# Altium PCB Slave_Board_Pcb.PcbDoc
Units mil, origin at the board's own origin, x right, y up, seen from the top; angles counter-clockwise.
Board outline 3937.01 x 1969 mil, 2 copper layers (Top Layer, Bottom Layer); 35 components, 13 nets, 96 pads, 653 vias.
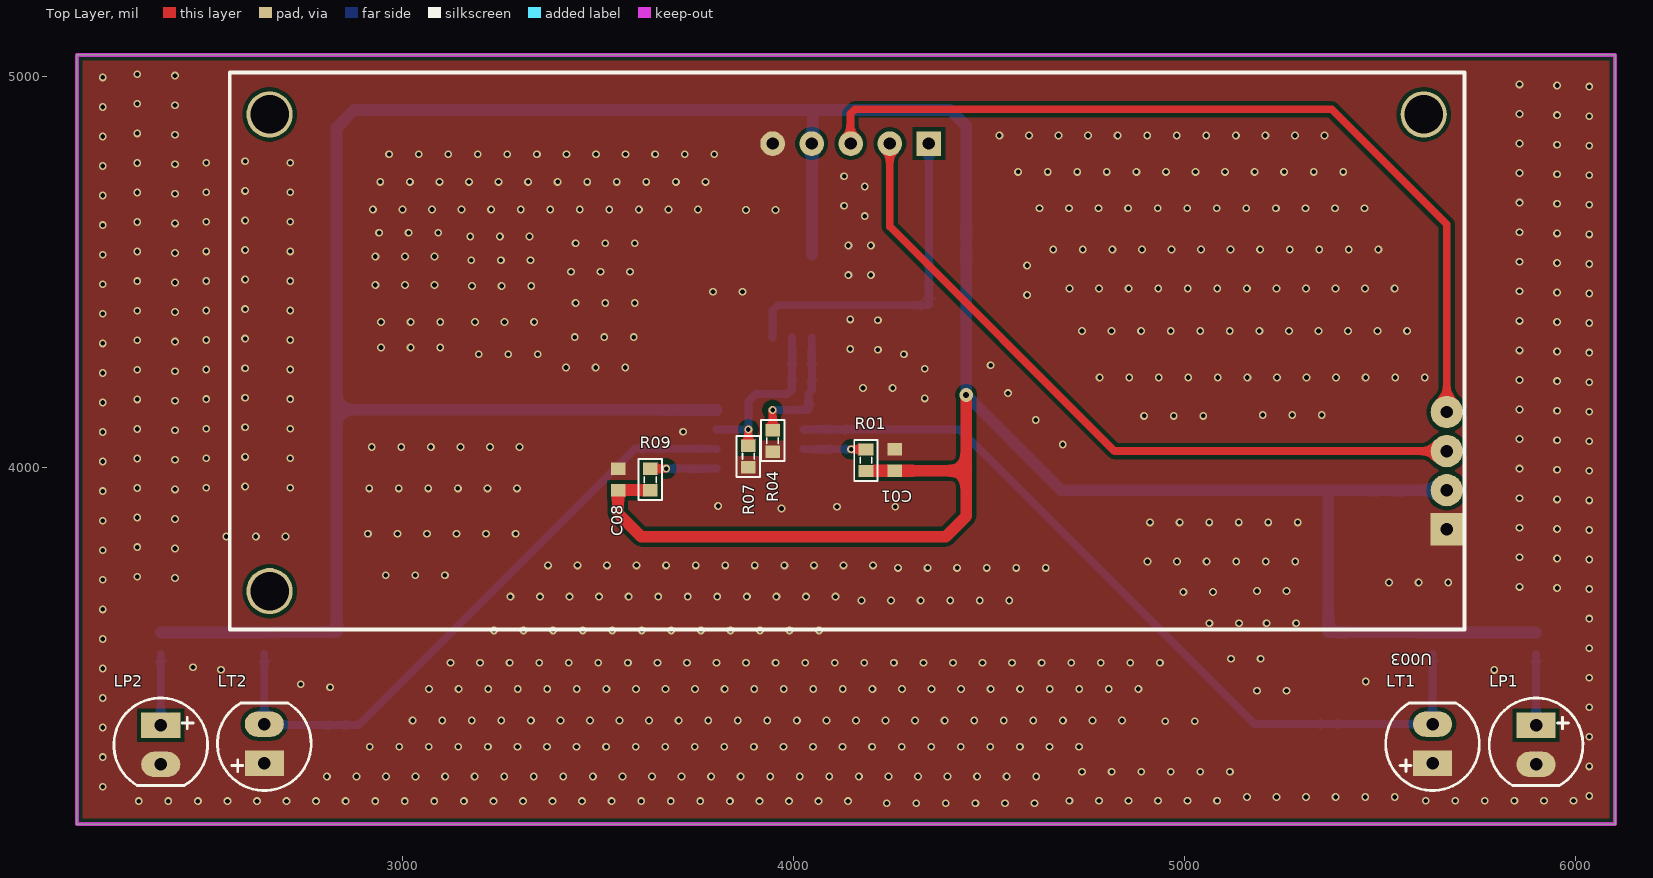
[diagram p0: Top Layer view]
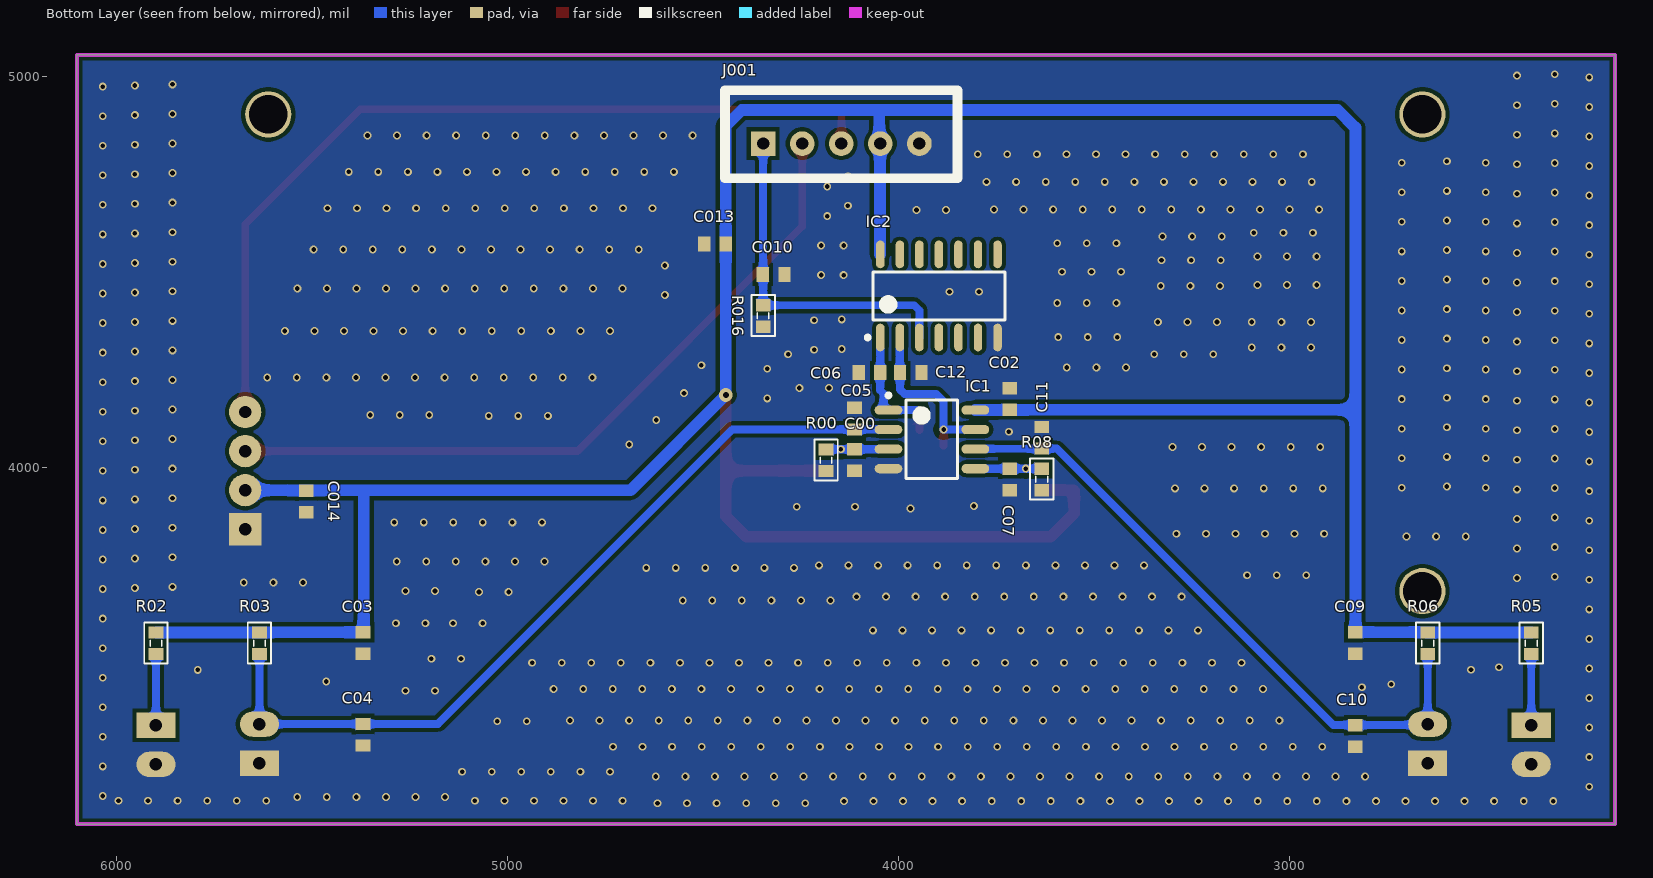
[diagram p1: Bottom Layer view, seen from below]
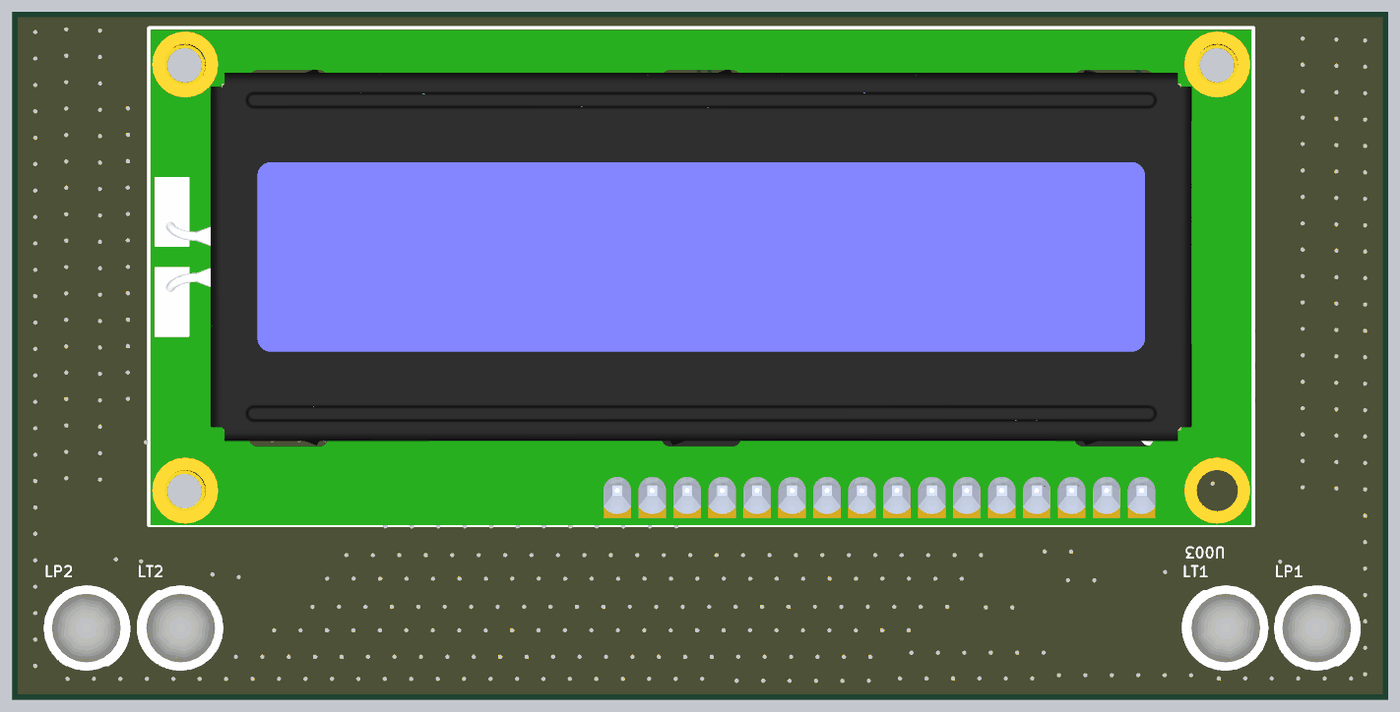
[diagram p2: 3D render of the assembled board from above, using the file's embedded part models]

## Layer stack, top to bottom
Top Solder: solder mask 0.4, Solder Resist, Dk 3.5
Top Layer: signal copper 1.4
Dielectric 1: dielectric 12.6, FR-4, Dk 4.8
Bottom Layer: signal copper 1.4
Bottom Solder: solder mask 0.4, Solder Resist, Dk 3.5

## Board outline
2165.35,3086 6102.36,3086 6102.36,5054.5 6102.36,5055 2165.35,5055

## Design rules (kind name [scope] priority, off if disabled: settings)
Clearance [All] p1: gap=10 ignorepadtopadclearanceinfootprint=FALSE except(20: Arc-Hole Track-Hole SMDPad-Hole THPad-Hole Via-Hole Fill-Hole Poly-Hole Region-Hole Text-Hole)
PolygonConnect [All] p1: connectstyle=Direct reliefconductorwidth=19.68 reliefentries=4 polygonreliefangle="90 Angle" airgapwidth=19.68
RoutingVias [All] p1: holewidth=28 width=50 viastyle="Through Hole" minholewidth=10 minwidth=10 maxholewidth=31.5 maxwidth=78.74
SolderMaskExpansion [All] p1: expansion=4 istentingtop=FALSE
Width [All] p1: maxlimit=50 minlimit=10 preferedwidth=20 minimp=50.000000 maximp=50.000000 favimp=50.000000
30 further rules are at their usual default settings.

## Components (designator, comment, footprint, x,y, rotation, side; value= is the part's Value field where it differs from the comment)
C00 "Cap Non-Pol SMD" CAP-SM-0603 4112,4018 r90 bottom value=0.1uF
C01 "Cap Non-Pol SMD" CAP-SM-0603 4259,4018 r90 top value=0.1uF
C02 "Cap Non-Pol SMD" CAP-SM-0603 3715,4174 r90 bottom value=0.1uF
C03 "Cap Non-Pol SMD" CAP-SM-0603 5370,3550 r270 bottom value=0.1uF
C04 "Cap Non-Pol SMD" CAP-SM-0603 5370,3315 r270 bottom value=0.1uF
C05 "Cap Non-Pol SMD" CAP-SM-0603 4112,4124 r90 bottom value=0.1uF
C06 "Cap Non-Pol SMD" CAP-SM-0603 4074,4242 r0 bottom value=0.1uF
C07 "Cap Non-Pol SMD" CAP-SM-0603 3715,3968 r270 bottom value=0.1uF
C08 "Cap Non-Pol SMD" CAP-SM-0603 3551,3968 r90 top value=0.1uF
C09 "Cap Non-Pol SMD" CAP-SM-0603 2830,3550 r270 bottom value=0.1uF
C010 "Cap Non-Pol SMD" CAP-SM-0603 4319,4493 r180 bottom
C10 "Cap Non-Pol SMD" CAP-SM-0603 2830,3312 r270 bottom value=0.1uF
C11 "Cap Non-Pol SMD" CAP-SM-0603 3633,4075 r90 bottom value=0.1uF
C12 "Cap Non-Pol SMD" CAP-SM-0603 3968,4242 r180 bottom value=0.1uF
C013 "Cap Non-Pol SMD" CAP-SM-0603 4469,4571 r0 bottom value=0.1uF
C014 "Cap Non-Pol SMD" CAP-SM-0603 5515,3912 r270 bottom value=0.1uF
IC1 "LM358" SO8 3914,4071 r180 bottom
IC2 "7432" SO14 3896,4438 r90 bottom
J001 "Header 5P 2.54 Duc Thang" XH2.54M-5 4346,4828 r180 bottom
LP1 "LED 5mm" LED-5MM-WHITE 5900,3289 r270 top
LP2 "LED 5mm" LED-5MM-WHITE 2380,3289 r270 top
LT1 "LED 5mm" LED-5MM-WHITE 5635,3292.12 r90 top
LT2 "LED 5mm" LED-5MM-WHITE 2645,3292.12 r90 top
R00 "RESISTOR SMD" RES-SM-0603 4185,3990.44 r90 bottom value=3.9K
R01 "RESISTOR SMD" RES-SM-0603 4185,4044.56 r270 top value=1K
R02 "RESISTOR SMD" RES-SM-0603 5900,3522 r90 bottom value=220
R03 "RESISTOR SMD" RES-SM-0603 5635,3522 r90 bottom value=10K
R04 "RESISTOR SMD" RES-SM-0603 3946,4040 r90 top value=10K
R05 "RESISTOR SMD" RES-SM-0603 2380,3522 r90 bottom value=220
R06 "RESISTOR SMD" RES-SM-0603 2645,3522 r90 bottom value=10K
R07 "RESISTOR SMD" RES-SM-0603 3884,4000 r90 top value=10K
R08 "RESISTOR SMD" RES-SM-0603 3633,3941.56 r90 bottom value=3.9K
R09 "RESISTOR SMD" RES-SM-0603 3633,3995.56 r270 top value=1K
R016 "RESISTOR SMD" RES-SM-0603 4346,4360 r90 bottom value=10K
U003 "16x02" LCD&I2c 4165,4292.52 r180 top

## Footprints (in the part's own frame and the unit in brackets; to place one, negate y for a bottom-side part, rotate by r counter-clockwise, add the part's x,y. Pads: shape width x height; smd on the part's side, far side on the other; paste and mask are expansions set on the pad)
CAP-SM-0603 [mm] "SMD Ceramic Capacitor Size 0603"
  rect 0.8x0.95 smd: 1(-0.7,0) 2(0.7,0)
  body extent -0.85,-0.45 0.85,0.45, height 0.6
LCD&I2c [mm]
  rect 2.1x2.1 hole 0.8: 1(-38.265,11.474)
  round 2.1 hole 0.8: 2(-38.265,8.934) 3(-38.265,6.394) 4(-38.265,3.854)
  round 3 hole 2.5: 13(-36.767,-15.494) 13(38.265,-15.494) 13(38.265,15.494)
  silkscreen extent -39.41,-18.21 40.86,17.98, body extent -39.28,-18.05 40.72,17.95, height 19.8
LED-5MM-WHITE [mil] "LED 2 PIN, 5 ly , Only colour, pin to pin 110mil"
  rect 65x100 hole 32: 1(-50,0)
  oval 65x100 hole 32: 2(50,0)
  silkscreen extent -120,-120 104,120, body extent -124,-125 121,120, height 340
RES-SM-0603 [mm]
  rect 0.8x0.95 smd: 1(-0.014,0) 2(1.386,0)
  silkscreen extent -0.64,-0.76 2.03,0.76, body extent -0.11,-0.4 1.49,0.4, height 0.3
SO8 [mm] "SOIC, 8-Leads, Body 4.9x3.9mm, Pitch 1.27mm, IPC High Density"
  oval 1.8x0.6 smd: 1(-2.825,1.905) 2(-2.825,0.635) 3(-2.825,-0.635) 4(-2.825,-1.905) 5(2.825,-1.905) 6(2.825,-0.635) 7(2.825,0.635) 8(2.825,1.905)
  silkscreen extent -2.95,-2.55 1.68,2.98, body extent -2.99,-2.45 3,2.45, height 1.6
SO14 [mm] "SOIC, 14-Leads, Body 8.60x3.90mm, Pitch 1.27mm, IPC Medium Density"
  oval 1.8x0.55 smd: 1(-2.7,3.81) 2(-2.7,2.54) 3(-2.7,1.27) 4(-2.7,0) 5(-2.7,-1.27) 6(-2.7,-2.54) 7(-2.7,-3.81) 8(2.7,-3.81) 9(2.7,-2.54) 10(2.7,-1.27) 11(2.7,0) 12(2.7,1.27) 13(2.7,2.54) 14(2.7,3.81)
  silkscreen extent -2.82,-4.3 1.55,4.76, body extent -2.87,-4.3 3.13,4.3, height 1.75
XH2.54M-5 [mm]
  rect 1.6x1.6 hole 0.8: 1(0,0)
  round 1.6 hole 0.8: 2(2.54,0) 3(5.08,0) 4(7.62,0) 5(10.16,0)
  silkscreen extent -2.48,-2.26 12.64,3.46, body extent -2.48,-2.26 12.64,3.48, height 6.91

## Part data
C00 C01 C02 C03 C04 C05 C06 C07 C08 C09 C010 C10 C11 C12 C013 C014: "Capacitor"
IC1: "Low-Power Dual Operational Amplifier"
IC2: "Quad 2-Input OR Gate"
J001: "Cắm", Chung_Loai=Cắm, Don_Vi=Con, Ma_Hang=MH001298, Ten_Linh_Kien="Header 5P XH2.54-5P Đực Thẳng"
LP1 LP2 LT1 LT2: library part "LED 5mm Trang", "Cắm", Chung_Loai=Cắm, Don_Vi=Con, Ma_Hang=MH008983, Ten_Linh_Kien="Led 5MM Trắng Đục (1000c)"
R00 R01 R02 R03 R04 R05 R06 R07 R08 R09 R016: "Resistor"
U003: library part LCD&I2C

## Via types
v1: diameter 20, hole 12, Top Layer to Bottom Layer, tented both sides, 652 vias
v2: diameter 35, hole 15, Top Layer to Bottom Layer, tented both sides, 1 vias

## Nets (pads, with @x,y where several pads share a name; then routed paths per layer and width w, separated by ;. In a path a pad name is that pad's centre, name@x,y a point inside that pad or via, vN(x,y) a via of type N, cw(c..) or ccw(c..) an arc to the next point about the centre after c; other vN are vias at no path point)
GND: C00.1 C01.2 C02.2 C03.2 C04.2 C05.2 C06.2 C07.2 C08.2 C09.2 C010.2 C10.2 C11.2 C12.2 C013.2 C014.2 IC1.4 IC2.7 J001.5 LP1.2 LP2.2 LT1.1 LT2.1 R00.1 R04.1 R07.1 R08.1 R016.1 U003.1
  other v1: 4238.06,3139.5 4313.71,3139.5 4389.35,3139.5 4465,3139.5 4540.65,3139.5 4616.29,3139.5 2323.69,3145 2399.33,3145 2474.98,3145 2550.63,3145 2626.27,3145 2701.92,3145 2777.56,3145 2853.21,3145 2928.85,3145 3004.5,3145 3080.15,3145 3155.79,3145 3231.44,3145 3307.08,3145 3382.73,3145 3458.37,3145 3534.02,3145 3609.67,3145 3685.31,3145 3760.96,3145 3836.6,3145 3912.25,3145 3987.9,3145 4063.54,3145 4139.19,3145 4705.56,3146 4781.21,3146 4856.85,3146 4932.5,3146 5008.15,3146 5083.79,3146 5617.56,3146 5693.21,3146 5768.85,3146 5844.5,3146 5920.15,3146 5995.79,3146 5160.06,3155.5 5235.71,3155.5 5311.35,3155.5 5387,3155.5 5462.65,3155.5 5538.29,3155.5 6036,3158.31 2231.5,3182 2805.19,3208 2880.83,3208 2956.48,3208 3032.13,3208 3107.77,3208 3183.42,3208 3259.06,3208 3334.71,3208 3410.35,3208 3486,3208 3561.65,3208 3637.29,3208 3712.94,3208 3788.58,3208 3864.23,3208 3939.87,3208 4015.52,3208 4091.17,3208 4166.81,3208 4242.46,3208 4318.1,3208 4393.75,3208 4469.4,3208 4545.04,3208 4620.69,3208 4738.06,3220 4813.71,3220 4889.35,3220 4965,3220 5040.65,3220 5116.29,3220 6036,3233.96 2231.5,3257.65 2914.69,3284 2990.33,3284 3065.98,3284 3141.63,3284 3217.27,3284 3292.92,3284 3368.56,3284 3444.21,3284 3519.85,3284 3595.5,3284 3671.15,3284 3746.79,3284 3822.44,3284 3898.08,3284 3973.73,3284 4049.37,3284 4125.02,3284 4200.67,3284 4276.31,3284 4351.96,3284 4427.6,3284 4503.25,3284 4578.9,3284 4654.54,3284 4730.19,3284 6036,3309.6 2231.5,3333.29 4950.85,3349.5 5026.5,3349.5 3024.69,3351.5 3100.33,3351.5 3175.98,3351.5 3251.63,3351.5 3327.27,3351.5 3402.92,3351.5 3478.56,3351.5 3554.21,3351.5 3629.85,3351.5 3705.5,3351.5 3781.15,3351.5 3856.79,3351.5 3932.44,3351.5 4008.08,3351.5 4083.73,3351.5 4159.37,3351.5 4235.02,3351.5 4310.67,3351.5 4386.31,3351.5 4461.96,3351.5 4537.6,3351.5 4613.25,3351.5 4688.9,3351.5 4764.54,3351.5 4840.19,3351.5 6036,3385.25 2231.5,3408.94 5185.85,3427.5 5261.5,3427.5 3066.69,3432 3142.33,3432 3217.98,3432 3293.63,3432 3369.27,3432 3444.92,3432 3520.56,3432 3596.21,3432 3671.85,3432 3747.5,3432 3823.15,3432 3898.79,3432 3974.44,3432 4050.08,3432 4125.73,3432 4201.37,3432 4277.02,3432 4352.67,3432 4428.31,3432 4503.96,3432 4579.6,3432 4655.25,3432 4730.9,3432 4806.54,3432 4882.19,3432 2813.5,3436.5 2738.5,3444 5464,3451 6036,3460.9 5793,3481 2534,3481.5 2231.5,3484.58 2462.5,3487.5 3121.68,3499.42 3197.33,3499.42 3272.97,3499.42 3348.62,3499.42 3424.26,3499.42 3499.91,3499.42 3575.55,3499.42 3651.2,3499.42 3726.85,3499.42 3802.49,3499.42 3878.14,3499.42 3953.78,3499.42 4029.43,3499.42 4105.08,3499.42 4180.72,3499.42 4256.37,3499.42 4332.01,3499.42 4407.66,3499.42 4483.3,3499.42 4558.95,3499.42 4634.6,3499.42 4710.24,3499.42 4785.89,3499.42 4861.53,3499.42 4937.18,3499.42 5119.35,3509.5 5195,3509.5 6036,3536.54 2231.5,3560.23 3232.92,3582 3308.56,3582 3384.21,3582 3459.85,3582 3535.5,3582 3611.15,3582 3686.79,3582 3762.44,3582 3838.08,3582 3913.73,3582 3989.37,3582 4065.02,3582 5063.85,3600.5 5139.5,3600.5 5210.35,3600.5 5286,3600.5 6036,3612.19 2231.5,3635.87 4173.56,3658.5 4249.21,3658.5 4324.85,3658.5 4400.5,3658.5 4476.15,3658.5 4551.79,3658.5 3274.92,3668.5 3350.56,3668.5 3426.21,3668.5 3501.85,3668.5 3577.5,3668.5 3653.15,3668.5 3728.79,3668.5 3804.44,3668.5 3880.08,3668.5 3955.73,3668.5 4031.37,3668.5 4107.02,3668.5 4997.35,3680.5 5073,3680.5 5185.85,3683 5261.5,3683 6036,3687.83 5954,3690.48 5857.5,3693.48 5523.85,3704.5 5599.5,3704.5 5675.15,3704.5 2231.5,3711.52 2416.5,3715.98 2320,3719.48 2955.85,3723 3031.5,3723 3107.15,3723 4267.06,3742 4342.71,3742 4418.35,3742 4494,3742 4569.65,3742 4645.29,3742 3370.92,3748.5 3446.56,3748.5 3522.21,3748.5 3597.85,3748.5 3673.5,3748.5 3749.15,3748.5 3824.79,3748.5 3900.44,3748.5 3976.08,3748.5 4051.73,3748.5 4127.37,3748.5 4203.02,3748.5 4905.56,3758.5 4981.21,3758.5 5056.85,3758.5 5132.5,3758.5 5208.15,3758.5 5283.79,3758.5 6036,3763.48 5954,3766.13 5857.5,3769.13 2231.5,3787.17 2416.5,3791.63 2320,3795.13 2547.85,3822.5 2623.5,3822.5 2699.15,3822.5 2910.06,3829.5 2985.71,3829.5 3061.35,3829.5 3137,3829.5 3212.65,3829.5 3288.29,3829.5 6036,3839.13 5954,3841.77 5857.5,3844.77 4912.06,3858.5 4987.71,3858.5 5063.35,3858.5 5139,3858.5 5214.65,3858.5 5290.29,3858.5 2231.5,3862.81 2416.5,3867.27 2320,3870.77 3969,3894 4111,3898.5 4260,3898.5 3806.5,3900.5 6036,3914.77 5954,3917.42 5857.5,3920.42 2231.5,3938.46 2416.5,3942.92 2320,3946.42 2913.56,3945.5 2989.21,3945.5 3064.85,3945.5 3140.5,3945.5 3216.15,3945.5 3291.79,3945.5 2496.5,3946.98 2711.5,3946.98 2596,3950.48 6036,3990.42 5954,3993.06 5857.5,3996.06 2231.5,4014.1 2416.5,4018.56 2320,4022.06 2496.5,4022.63 2711.5,4022.63 2596,4026.13 2920.06,4051.5 2995.71,4051.5 3071.35,4051.5 3147,4051.5 3222.65,4051.5 3298.29,4051.5 4688.5,4058 6036,4066.06 5954,4068.71 5857.5,4071.71 2231.5,4089.75 3717,4090.5 2416.5,4094.21 2320,4097.71 2496.5,4098.27 2711.5,4098.27 2596,4101.77 4619.5,4120.5 4896.85,4131 4972.5,4131 5048.15,4131 5200.35,4133.5 5276,4133.5 5351.65,4133.5 6036,4141.71 5954,4144.35 5857.5,4147.35 2231.5,4165.4 2416.5,4169.85 2320,4173.35 2496.5,4173.92 2711.5,4173.92 4335.5,4175.85 2596,4177.42 4548.66,4189.28 4177.5,4202.5 4253.15,4202.5 6036,4217.35 5954,4220 5857.5,4223 4782.98,4229.5 4858.63,4229.5 4934.27,4229.5 5009.92,4229.5 5085.56,4229.5 5161.21,4229.5 5236.85,4229.5 5312.5,4229.5 5388.15,4229.5 5463.79,4229.5 5539.44,4229.5 5615.08,4229.5 2231.5,4241.04 2416.5,4245.5 2320,4249 2496.5,4249.56 2711.5,4249.56 4335.5,4251.5 2596,4253.06 3417.35,4255 3493,4255 3568.65,4255 4504,4260.5 3193.85,4289 3269.5,4289 3345.15,4289 4282,4289 6036,4293 5954,4295.65 5857.5,4298.65 4215.5,4300.35 4144.5,4302.35 2943.85,4306 3019.5,4306 3095.15,4306 2231.5,4316.69 2416.5,4321.15 2320,4324.65 2496.5,4325.21 2711.5,4325.21 2596,4328.71 3439.4,4332.58 3515.05,4332.58 3590.69,4332.58 4737.98,4348.5 4813.63,4348.5 4889.27,4348.5 4964.92,4348.5 5040.56,4348.5 5116.21,4348.5 5191.85,4348.5 5267.5,4348.5 5343.15,4348.5 5418.79,4348.5 5494.44,4348.5 5570.08,4348.5 6036,4368.65 2943.9,4371.44 3019.55,4371.44 3095.19,4371.44 5954,4371.29 3184.35,4371.5 3260,4371.5 3335.65,4371.5 5857.5,4374.29 4215.5,4376 4144.5,4378 2231.5,4392.33 2416.5,4396.79 2320,4400.29 2496.5,4400.85 2711.5,4400.85 2596,4404.35 3441.85,4420 3517.5,4420 3593.15,4420 4597.5,4440.5 6036,4444.29 5954,4446.94 3793.5,4449 3869.15,4449 5857.5,4449.94 4705.98,4457.31 4781.63,4457.31 4857.27,4457.31 4932.92,4457.31 5008.56,4457.31 5084.21,4457.31 5159.86,4457.31 5235.5,4457.31 5311.15,4457.31 5386.79,4457.31 5462.44,4457.31 5538.09,4457.31 3176.85,4463.5 3252.5,4463.5 3328.15,4463.5 2929.33,4466.17 3004.97,4466.17 3080.62,4466.17 2231.5,4467.98 2416.5,4472.44 2320,4475.94 2496.5,4476.5 2711.5,4476.5 2596,4480 4140,4491.35 4197.5,4491.5 3429.85,4500 3505.5,4500 3581.15,4500 4597.5,4516.15 6036,4519.94 5954,4522.58 5857.5,4525.58 3174.85,4529.5 3250.5,4529.5 3326.15,4529.5 2929.35,4539 3005,4539 3080.65,4539 2231.5,4543.62 2416.5,4548.08 2320,4551.58 2496.5,4552.15 2711.5,4552.15 2596,4555.65 4664.29,4556.74 4739.93,4556.74 4815.58,4556.74 4891.23,4556.74 4966.87,4556.74 5042.52,4556.74 5118.16,4556.74 5193.81,4556.74 5269.45,4556.74 5345.1,4556.74 5420.75,4556.74 5496.39,4556.74 4140,4567 4197.5,4567.15 3441.85,4573 3517.5,4573 3593.15,4573 3172.35,4590 3248,4590 3323.65,4590 6036,4595.58 5954,4598.23 2938.85,4600 3014.5,4600 3090.15,4600 5857.5,4601.23 2231.5,4619.27 2416.5,4623.73 2320,4627.23 2496.5,4627.79 2711.5,4627.79 2596,4631.29 4182,4642.35 3878,4658 3953.65,4658 2922.98,4659.5 2998.63,4659.5 3074.27,4659.5 3149.92,4659.5 3225.56,4659.5 3301.21,4659.5 3376.85,4659.5 3452.5,4659.5 3528.15,4659.5 3603.79,4659.5 3679.44,4659.5 3755.08,4659.5 4628.98,4662.5 4704.63,4662.5 4780.27,4662.5 4855.92,4662.5 4931.56,4662.5 5007.21,4662.5 5082.85,4662.5 5158.5,4662.5 5234.15,4662.5 5309.79,4662.5 5385.44,4662.5 5461.08,4662.5 4129,4668.85 6036,4671.23 5954,4673.87 5857.5,4676.87 2231.5,4694.92 2416.5,4699.37 2320,4702.87 2496.5,4703.44 2711.5,4703.44 2596,4706.94 4182,4718 2941.98,4730 3017.63,4730 3093.27,4730 3168.92,4730 3244.56,4730 3320.21,4730 3395.85,4730 3471.5,4730 3547.15,4730 3622.79,4730 3698.44,4730 3774.08,4730 4129,4744.5 6036,4746.87 5954,4749.52 5857.5,4752.52 4574.48,4755.5 4650.13,4755.5 4725.77,4755.5 4801.42,4755.5 4877.06,4755.5 4952.71,4755.5 5028.35,4755.5 5104,4755.5 5179.65,4755.5 5255.29,4755.5 5330.94,4755.5 5406.58,4755.5 2231.5,4770.56 2416.5,4775.02 2320,4778.52 2496.5,4779.08 2711.5,4779.08 2596,4782.58 2964.48,4800.5 3040.13,4800.5 3115.77,4800.5 3191.42,4800.5 3267.06,4800.5 3342.71,4800.5 3418.35,4800.5 3494,4800.5 3569.65,4800.5 3645.29,4800.5 3720.94,4800.5 3796.58,4800.5 6036,4822.52 5954,4825.17 5857.5,4828.17 2231.5,4846.21 4526.48,4848.5 4602.13,4848.5 4677.77,4848.5 4753.42,4848.5 4829.06,4848.5 4904.71,4848.5 4980.35,4848.5 5056,4848.5 5131.65,4848.5 5207.29,4848.5 5282.94,4848.5 5358.58,4848.5 2416.5,4850.67 2320,4854.17 6036,4898.17 5954,4900.81 5857.5,4903.81 2231.5,4921.85 2416.5,4926.31 2320,4929.81 6036,4973.81 5954,4976.46 5857.5,4979.46 2231.5,4997.5 2416.5,5001.96 2320,5005.46
IR: C010.1 IC2.3 J001.1 R016.2 | length 888.4
  Bottom Layer w20: IC2.3 3946,4401 3959,4414 4345.44,4414 R016.2 J001.1
IR_S1: C06.1 IC1.1 IC2.1 R04.2 | length 331.9
  Top Layer w20: R04.2 v1(3946,4146)
  Bottom Layer w20: v1(3946,4146) IC1.1 4036.36,4146 4038.03,4147.67 4038.03,4188.03 4046.44,4196.44 C06.1 4046.22,4242.22 4046.22,4331.48 IC2.1
IR_S2: C12.1 IC1.7 IC2.2 R07.2 | length 459.1
  Top Layer w20: R07.2 v1(3884,4096)
  Bottom Layer w20: IC1.7 v1(3884,4096) 3884,4168 3903,4187 3983.84,4187 3995.56,4198.72 C12.1 ; C12.1@3996,4234.83 IC2.2
NetC00_2: C00.2 IC1.3 R00.2 R01.1 | length 198.4
  Top Layer w20: v1(4147,4045.5) 4184.62,4045.5 R01.1
  Bottom Layer w20: IC1.3 4025.72,4045.5 v1(4147,4045.5) 4184.5,4045.5 R00.2
NetC04_1: C04.1 C05.1 IC1.2 LT1.2 R03.1 | length 2101.7
  Bottom Layer w20: IC1.2 4049.82,4096 4050.26,4096.44 C05.1 4424.56,4096.44 5178.44,3342.56 C04.1 5370.22,3342.34 5634.78,3342.34 LT1.2 R03.1
NetC07_1: C07.1 IC1.5 R08.2 R09.1 | length 210.9
  Top Layer w20: R09.1 3633.12,3996 v1(3674,3996)
  Bottom Layer w20: R08.2 3633.06,3996.06 3802.72,3996.06 IC1.5
NetC10_1: C10.1 C11.1 IC1.6 LT2.2 R06.1 | length 1631.6
  Bottom Layer w20: R06.1 LT2.2 2647.12,3340 2887,3340 3594.44,4047.44 C11.1 3633.75,4046.69 3802.09,4046.69 IC1.6
NetLP1_1: LP1.1 R02.1 | length 182.4
  Bottom Layer w20: LP1.1 R02.1
NetLP2_1: LP2.1 R05.1 | length 182.4
  Bottom Layer w20: LP2.1 R05.1
SCL: J001.3 U003.4 | length 2210.8
  Top Layer w20: J001.3 4145,4829 4145,4904.28 4156.72,4916 5377,4916 5671.5,4621.5 U003.4
SDA: J001.2 U003.3 | length 1875.8
  Top Layer w20: J001.2 4246,4616 4821.22,4040.78 U003.3
VCC: C01.1 C02.1 C03.1 C08.1 C09.1 C013.1 C014.1 IC1.8 IC2.14 J001.4 R01.2 R02.2 R03.2 R05.2 R06.2 R09.2 U003.2 | length 9279.1
  Top Layer w30: R09.2 3551.56,3941 C08.1 3550.75,3940.44 3550,3939.69 3550,3882 3610,3822 4389,3822 4441.44,3874.44 4441.44,3990.75 ; R01.2 4185.75,3990.75 4441.44,3990.75 ; v2(4441.44,4184.56) 4441.44,3990.75
  Bottom Layer w30: R05.2 R06.2 2647.95,3576.56 2648.95,3577.56 C09.1 2830,4146.44 ; IC1.8@3802.78,4146.22 3715.22,4146.22 C02.1 2830,4146.44 ; J001.4 4049,4831 4049,4901 ; IC2.14@4047,4544.3 J001.4@4047,4828 ; 5368,3939 5368,3578.31 5368.75,3577.56 C03.1 5370.56,3577 5600,3577 5600.44,3576.56 R03.2 R02.2 ; U003.2 4685.22,3940.78 v2(4441.44,4184.56) C013.1 4441.44,4873.56 4401,4914 2875,4914 2830,4869 2830,4146.44
pads on no net: IC2.4 IC2.5 IC2.6 IC2.8 IC2.9 IC2.10 IC2.11 IC2.12 IC2.13 U003.13

## Polygon pours and split planes (outlines as drawn)
GND on Bottom Layer "NONET_L-01_P-001" (solid, pour order 1): 2165,5055 6102.5,5055 6102.5,3086 2165,3086
GND on Bottom Layer "GND_L02_P000" (solid, pour order 0): 6101.36,5022 2160,5022 2160,3081 6102.36,3081
GND on Top Layer "NONET_L-01_P-001" (solid, pour order 2): 2165,5055 6102.5,5055 6102.5,3086 2165,3086

## Keep-outs
Keep-Out Layer:
  lines w10: 6102.36,5054.5 6102.36,3086 2165.35,3086 2165.35,5055 6102.36,5055